# KiCad board hvd-50-idc-panel.kicad_pcb (continued)
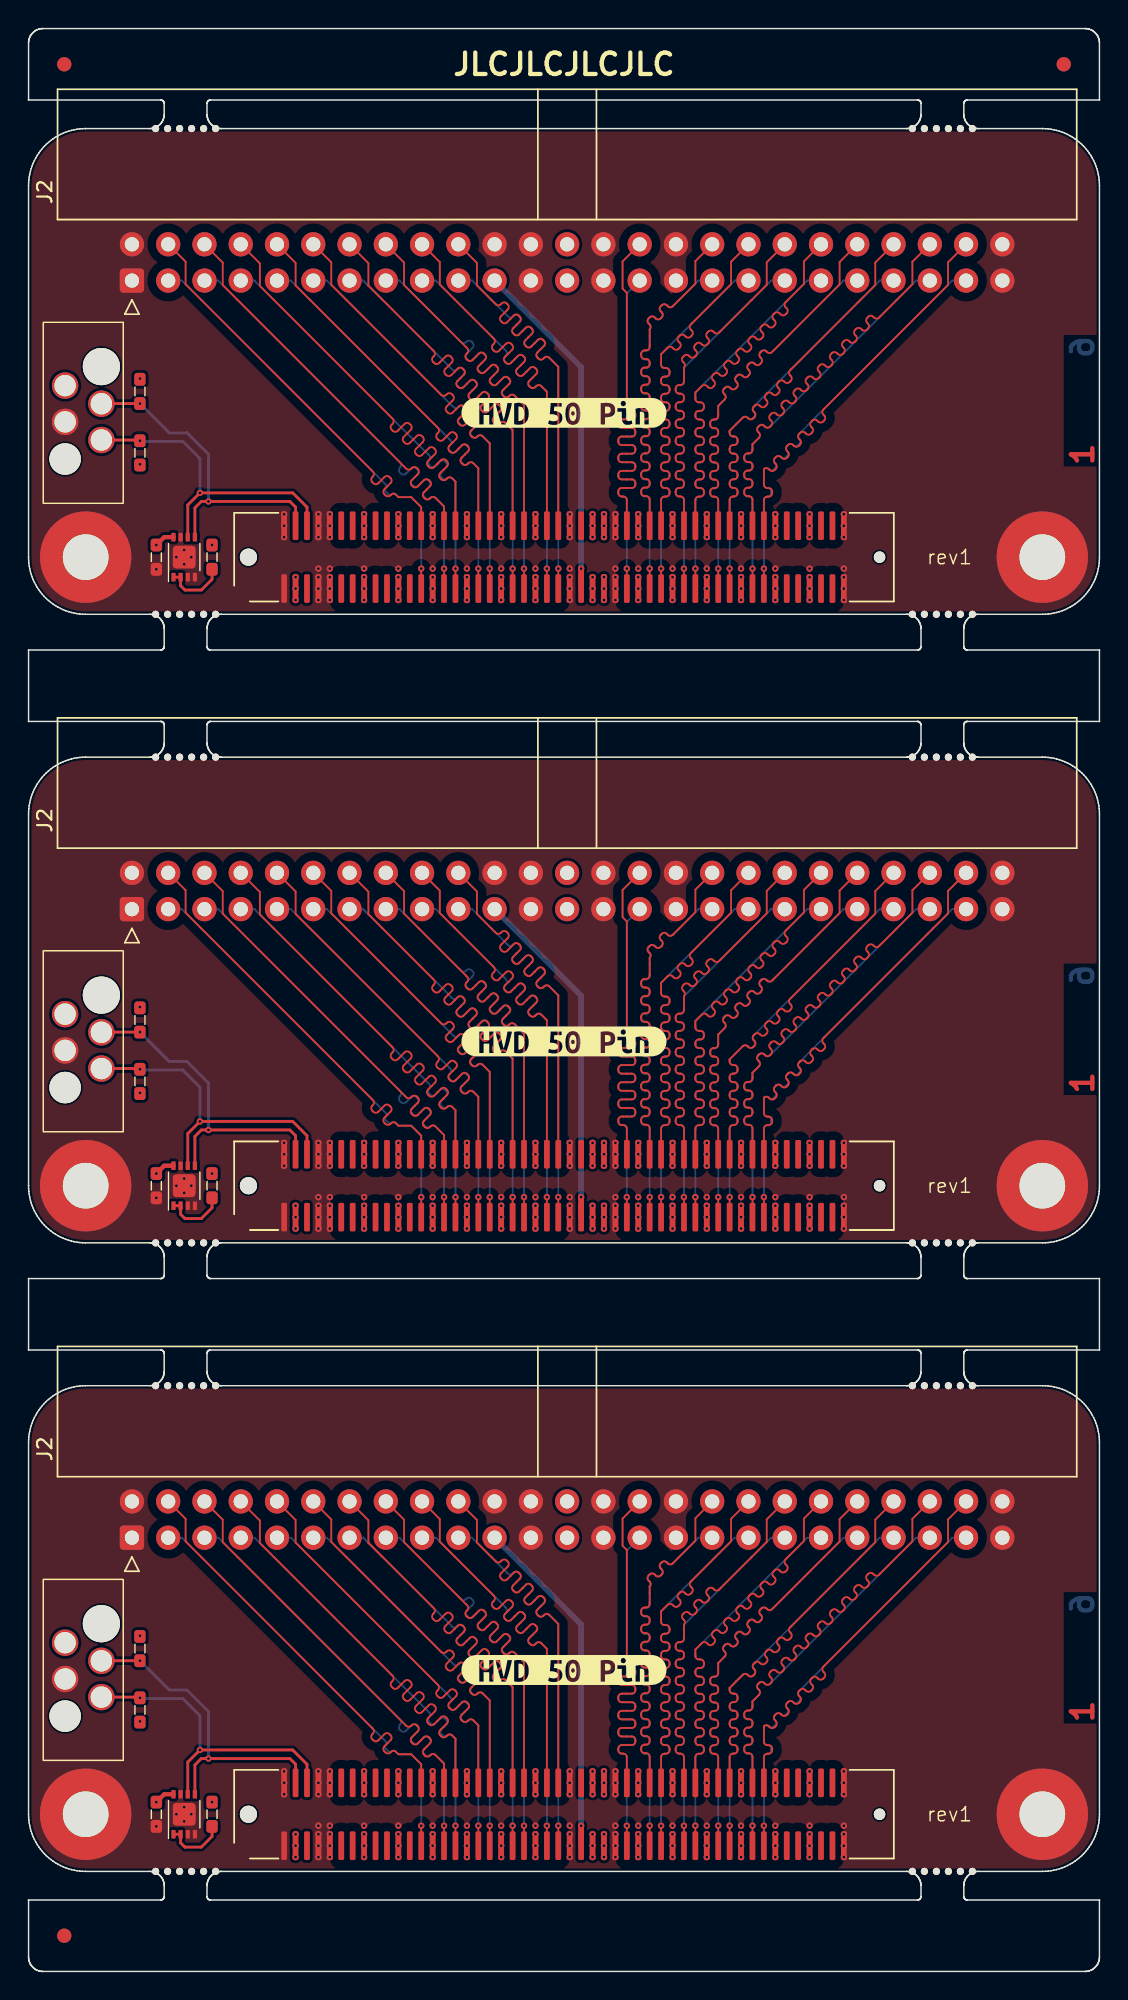
[diagram p0: board, top side]
## Routing (per net, layer and track width the routed paths; a pad name or vN(x,y) marks a point on that pad's centre or on a via; arc(x,y) is an arc through that point) (continued)
Board_1-/CON.DB5+: length 35.8
  Top w0.128: J1#3.41 v1(33.9,54.2)
  Bottom w0.128: J2#3.13 23.44,74.36 ; 23.44,74.36 29.57,68.23 29.66,68.14 arc(29.83,68.07) 30,68.14 30.05,68.2 arc(30.22,68.27) 30.39,68.2 30.48,68.11 arc(30.55,67.94) 30.48,67.77 30.03,67.33 arc(29.96,67.16) 30.03,66.99 30.11,66.9 arc(30.28,66.83) 30.45,66.9 30.9,67.35 arc(31.07,67.42) 31.24,67.35 31.32,67.26 arc(31.39,67.09) 31.32,66.92 30.88,66.48 arc(30.81,66.31) 30.88,66.14 30.96,66.05 arc(31.13,65.98) 31.3,66.05 31.75,66.5 arc(31.92,66.57) 32.09,66.5 32.17,66.41 arc(32.24,66.24) 32.17,66.08 31.73,65.63 arc(31.66,65.46) 31.73,65.29 31.81,65.2 arc(31.98,65.13) 32.15,65.2 32.6,65.65 arc(32.77,65.72) 32.94,65.65 33.02,65.57 arc(33.09,65.4) 33.02,65.23 32.58,64.78 arc(32.51,64.61) 32.58,64.44 32.66,64.36 arc(32.83,64.29) 33,64.36 33.05,64.41 arc(33.22,64.48) 33.39,64.41 33.9,63.9 v1(33.9,54.2) ; 23.44,74.36 24.8,73
Board_1-/CON.DB5-: length 34.4
  Top w0.128: J2#3.14 23.8,75.58 23.8,74.01 28.39,69.42 arc(28.46,69.25) 28.39,69.08 28.33,69.01 arc(28.26,68.84) 28.33,68.67 28.41,68.59 arc(28.58,68.52) 28.75,68.59 29.22,69.05 arc(29.39,69.12) 29.56,69.05 29.64,68.97 arc(29.71,68.8) 29.64,68.63 29.18,68.17 arc(29.11,68) 29.18,67.83 29.26,67.74 arc(29.43,67.67) 29.6,67.74 30.07,68.2 arc(30.24,68.27) 30.41,68.2 30.49,68.12 arc(30.56,67.95) 30.49,67.78 30.03,67.32 arc(29.96,67.15) 30.03,66.98 30.11,66.89 arc(30.28,66.82) 30.45,66.89 30.91,67.36 arc(31.08,67.43) 31.25,67.36 31.34,67.27 arc(31.41,67.1) 31.34,66.93 30.87,66.47 arc(30.8,66.3) 30.87,66.13 30.96,66.04 arc(31.13,65.97) 31.3,66.04 31.76,66.51 arc(31.93,66.58) 32.1,66.51 32.19,66.42 arc(32.26,66.25) 32.19,66.08 31.72,65.62 arc(31.65,65.45) 31.72,65.28 31.81,65.2 arc(31.98,65.13) 32.15,65.2 32.61,65.66 arc(32.78,65.73) 32.95,65.66 33.04,65.57 arc(33.11,65.4) 33.04,65.23 32.57,64.77 arc(32.5,64.6) 32.57,64.43 32.66,64.35 arc(32.83,64.28) 33,64.35 33.06,64.41 arc(33.23,64.48) 33.4,64.41 33.9,63.91 J1#3.42
Board_1-/CON.DB6+: length 32.9
  Top w0.128: J1#3.43 v1(34.7,54.2)
  Bottom w0.128: v1(34.7,54.2) 34.7,65.65 34.03,66.32 arc(33.86,66.39) 33.69,66.32 33.65,66.27 arc(33.48,66.2) 33.31,66.27 33.22,66.36 arc(33.15,66.53) 33.22,66.7 33.65,67.12 arc(33.72,67.29) 33.65,67.46 33.56,67.55 arc(33.39,67.62) 33.22,67.55 32.8,67.12 arc(32.63,67.05) 32.46,67.12 32.38,67.21 arc(32.31,67.38) 32.38,67.55 32.8,67.97 arc(32.87,68.14) 32.8,68.31 32.72,68.4 arc(32.55,68.47) 32.38,68.4 31.95,67.97 arc(31.78,67.9) 31.61,67.97 31.53,68.06 arc(31.46,68.23) 31.53,68.39 31.95,68.82 arc(32.02,68.99) 31.95,69.16 31.87,69.24 arc(31.7,69.31) 31.53,69.24 31.1,68.82 arc(30.93,68.75) 30.76,68.82 30.68,68.9 arc(30.61,69.07) 30.68,69.24 31.1,69.67 arc(31.17,69.84) 31.1,70.01 31.02,70.09 arc(30.85,70.16) 30.68,70.09 30.64,70.05 arc(30.47,69.98) 30.3,70.05 25.98,74.36 J2#3.15
Board_1-/CON.DB6-: length 30
  Top w0.128: J1#3.44 34.7,65.65 34.03,66.31 arc(33.87,66.38) 33.7,66.31 33.63,66.25 arc(33.46,66.18) 33.29,66.25 33.21,66.33 arc(33.14,66.5) 33.21,66.67 33.67,67.14 arc(33.74,67.31) 33.67,67.48 33.59,67.56 arc(33.42,67.63) 33.25,67.56 32.78,67.1 arc(32.61,67.03) 32.44,67.1 32.36,67.18 arc(32.29,67.35) 32.36,67.52 32.83,67.99 arc(32.9,68.16) 32.83,68.33 32.74,68.41 arc(32.57,68.48) 32.4,68.41 31.93,67.95 arc(31.76,67.87) 31.59,67.95 31.51,68.03 arc(31.44,68.2) 31.51,68.37 31.98,68.84 arc(32.05,69.01) 31.98,69.18 31.89,69.26 arc(31.72,69.33) 31.55,69.26 31.09,68.79 arc(30.92,68.72) 30.75,68.79 30.66,68.88 arc(30.59,69.05) 30.66,69.22 30.73,69.28 arc(30.8,69.45) 30.73,69.62 26.3,74.05 26.3,75.62 J2#3.16
Board_1-/CON.DB7+: length 31.3
  Top w0.128: J1#3.47 v1(36.3,54.2)
  Bottom w0.128: 28.44,74.36 J2#3.17 28.52,74.36 33.44,69.45 arc(33.51,69.28) 33.44,69.11 33.36,69.03 arc(33.29,68.86) 33.36,68.69 33.45,68.61 arc(33.62,68.54) 33.78,68.61 34.28,69.1 arc(34.45,69.17) 34.62,69.1 34.7,69.02 arc(34.77,68.85) 34.7,68.68 34.21,68.19 arc(34.14,68.02) 34.21,67.85 34.29,67.76 arc(34.46,67.69) 34.63,67.76 35.13,68.25 arc(35.3,68.32) 35.47,68.25 35.55,68.17 arc(35.62,68) 35.55,67.83 35.06,67.34 arc(34.99,67.17) 35.06,67 35.14,66.91 arc(35.31,66.84) 35.48,66.91 35.56,66.99 arc(35.73,67.06) 35.9,66.99 36.3,66.59 v1(36.3,54.2)
Board_1-/CON.DB7-: length 30
  Top w0.128: J2#3.18 28.8,75.66 28.8,74.09 32.6,70.29 arc(32.67,70.12) 32.6,69.95 32.51,69.87 arc(32.44,69.7) 32.51,69.53 32.6,69.44 arc(32.77,69.37) 32.94,69.44 33.44,69.95 arc(33.61,70.02) 33.78,69.95 33.87,69.86 arc(33.94,69.69) 33.87,69.52 33.36,69.02 arc(33.29,68.85) 33.36,68.68 33.45,68.59 arc(33.62,68.52) 33.79,68.59 34.29,69.1 arc(34.46,69.17) 34.63,69.1 34.72,69.02 arc(34.79,68.85) 34.72,68.68 34.21,68.17 arc(34.14,68) 34.21,67.83 34.3,67.75 arc(34.47,67.68) 34.63,67.75 35.14,68.25 arc(35.31,68.32) 35.48,68.25 35.57,68.17 arc(35.64,68) 35.57,67.83 35.06,67.32 arc(34.99,67.15) 35.06,66.98 35.14,66.9 arc(35.31,66.83) 35.48,66.9 35.57,66.98 arc(35.74,67.05) 35.91,66.98 36.3,66.59 J1#3.48
Board_1-/CON.DIFFSENSE: length 24.1
  Top w0.4: J1#3.53 v1(38.7,54.2)
  Bottom w0.4: J2#3.21 38.7,68.3 v1(38.7,54.2)
Board_1-/CON.DP0+: length 30.4
  Top w0.128: J1#3.49 v1(37.1,54.2)
  Bottom w0.128: v1(37.1,54.2) 37.1,68.33 36.45,68.97 arc(36.28,69.04) 36.11,68.97 36.05,68.91 arc(35.88,68.84) 35.71,68.91 35.63,69 arc(35.56,69.17) 35.63,69.34 36.09,69.8 arc(36.16,69.97) 36.09,70.14 36.01,70.22 arc(35.84,70.29) 35.67,70.22 35.2,69.76 arc(35.03,69.69) 34.86,69.76 34.78,69.85 arc(34.71,70.01) 34.78,70.18 35.24,70.65 arc(35.31,70.82) 35.24,70.99 35.16,71.07 arc(34.99,71.14) 34.82,71.07 34.36,70.61 arc(34.19,70.54) 34.02,70.61 33.93,70.69 arc(33.86,70.86) 33.93,71.03 34.39,71.5 arc(34.46,71.67) 34.39,71.84 34.31,71.92 arc(34.14,71.99) 33.97,71.92 33.91,71.86 arc(33.74,71.79) 33.57,71.86 31.06,74.36 J2#3.19
Board_1-/CON.DP0-: length 30
  Top w0.128: J1#3.50 37.1,68.33 36.46,68.96 arc(36.29,69.03) 36.12,68.96 36.05,68.89 arc(35.88,68.82) 35.71,68.89 35.63,68.98 arc(35.56,69.15) 35.63,69.32 36.11,69.8 arc(36.18,69.97) 36.11,70.14 36.03,70.22 arc(35.86,70.29) 35.69,70.22 35.2,69.74 arc(35.03,69.67) 34.86,69.74 34.78,69.82 arc(34.71,69.99) 34.78,70.16 35.26,70.65 arc(35.33,70.82) 35.26,70.99 35.18,71.07 arc(35.01,71.14) 34.84,71.07 34.36,70.59 arc(34.19,70.52) 34.02,70.59 33.93,70.67 arc(33.86,70.84) 33.93,71.01 34.41,71.5 arc(34.48,71.67) 34.41,71.84 34.33,71.92 arc(34.16,71.99) 33.99,71.92 33.51,71.44 arc(33.34,71.37) 33.17,71.44 33.08,71.52 arc(33.01,71.69) 33.08,71.86 33.57,72.34 arc(33.64,72.51) 33.57,72.68 33.48,72.77 arc(33.31,72.84) 33.14,72.77 33.07,72.7 arc(32.9,72.63) 32.73,72.7 31.4,74.03 31.4,75.6 J2#3.20
Board_1-/CON.I/O+: length 30.4
  Top w0.128: J1#3.85 v1(51.5,54.2)
  Bottom w0.128: v1(51.5,54.2) 51.5,59 arc(51.57,59.17) 51.74,59.24 51.77,59.24 arc(51.94,59.31) 52.01,59.48 52.01,59.6 arc(51.94,59.77) 51.77,59.84 51.74,59.84 arc(51.57,59.91) 51.5,60.08 51.5,61.17 arc(51.67,61.24) 51.84,61.17 51.86,61.15 arc(52.03,61.08) 52.2,61.15 52.28,61.23 arc(52.35,61.4) 52.28,61.57 52.26,61.59 arc(52.19,61.76) 52.26,61.93 52.35,62.02 arc(52.52,62.09) 52.69,62.02 52.71,62 arc(52.88,61.93) 53.05,62 53.13,62.08 arc(53.2,62.25) 53.13,62.42 53.11,62.44 arc(53.04,62.61) 53.11,62.78 53.2,62.86 arc(53.37,62.93) 53.54,62.86 53.55,62.85 arc(53.72,62.78) 53.89,62.85 53.98,62.93 arc(54.05,63.1) 53.98,63.27 53.96,63.29 arc(53.89,63.46) 53.96,63.63 54.05,63.71 64.7,74.36 J2#3.47
Board_1-/CON.I/O-: length 30
  Top w0.128: J1#3.86 51.5,59 arc(51.57,59.17) 51.74,59.24 51.84,59.24 arc(52.01,59.31) 52.08,59.48 52.08,59.6 arc(52.01,59.77) 51.84,59.84 51.74,59.84 arc(51.57,59.91) 51.5,60.08 51.5,61.17 arc(51.67,61.24) 51.84,61.17 51.91,61.1 arc(52.08,61.03) 52.25,61.1 52.33,61.18 arc(52.4,61.35) 52.33,61.52 52.26,61.59 arc(52.19,61.76) 52.26,61.93 52.35,62.02 arc(52.52,62.09) 52.69,62.02 52.76,61.94 arc(52.93,61.87) 53.1,61.94 53.18,62.03 arc(53.25,62.2) 53.18,62.37 53.11,62.44 arc(53.04,62.61) 53.11,62.78 53.2,62.86 arc(53.37,62.93) 53.54,62.86 53.61,62.79 arc(53.78,62.72) 53.95,62.79 54.03,62.88 arc(54.1,63.05) 54.03,63.22 53.96,63.29 arc(53.89,63.46) 53.96,63.63 54.05,63.71 arc(54.22,63.78) 54.38,63.71 54.46,63.64 arc(54.63,63.57) 54.79,63.64 54.88,63.73 arc(54.95,63.9) 54.88,64.07 54.81,64.14 arc(54.74,64.31) 54.81,64.48 54.89,64.56 arc(55.06,64.63) 55.23,64.56 55.3,64.49 arc(55.47,64.42) 55.64,64.49 55.73,64.58 arc(55.8,64.75) 55.73,64.91 55.66,64.99 arc(55.59,65.16) 55.66,65.32 55.74,65.41 64.4,74.07 64.4,75.64 J2#3.48
Board_1-/CON.MSG+: length 30.4
  Top w0.128: J1#3.73 v1(46.7,54.2)
  Bottom w0.128: J2#3.39 54.54,74.36 46.7,66.53 46.7,66.07 arc(46.77,65.9) 46.94,65.83 47.05,65.83 arc(47.22,65.76) 47.29,65.59 47.29,65.47 arc(47.22,65.3) 47.05,65.23 46.94,65.23 arc(46.77,65.16) 46.7,64.99 46.7,64.87 arc(46.77,64.7) 46.94,64.63 47.05,64.63 arc(47.22,64.56) 47.29,64.39 47.29,64.27 arc(47.22,64.1) 47.05,64.03 46.94,64.03 arc(46.77,63.96) 46.7,63.79 46.7,63.67 arc(46.77,63.5) 46.94,63.43 47.05,63.43 arc(47.22,63.36) 47.29,63.19 47.29,63.07 arc(47.22,62.9) 47.05,62.83 46.94,62.83 arc(46.77,62.76) 46.7,62.59 46.7,62.47 arc(46.77,62.3) 46.94,62.23 47.05,62.23 arc(47.22,62.16) 47.29,61.99 47.29,61.87 arc(47.22,61.7) 47.05,61.63 46.94,61.63 arc(46.77,61.56) 46.7,61.39 46.7,61.27 arc(46.77,61.1) 46.94,61.03 47.05,61.03 arc(47.22,60.96) 47.29,60.79 47.29,60.67 arc(47.22,60.5) 47.05,60.43 46.94,60.43 arc(46.77,60.36) 46.7,60.19 46.7,60.07 arc(46.77,59.9) 46.94,59.83 47.05,59.83 arc(47.22,59.76) 47.29,59.59 47.29,59.47 arc(47.22,59.3) 47.05,59.23 46.94,59.23 arc(46.77,59.16) 46.7,58.99 v1(46.7,54.2)
Board_1-/CON.MSG-: length 33.6
  Top w0.128: J1#3.74 46.7,59 arc(46.77,59.17) 46.94,59.24 47.06,59.24 arc(47.23,59.31) 47.3,59.48 47.3,59.6 arc(47.23,59.77) 47.06,59.84 46.94,59.84 arc(46.77,59.91) 46.7,60.08 46.7,60.2 arc(46.77,60.37) 46.94,60.44 47.06,60.44 arc(47.23,60.51) 47.3,60.68 47.3,60.8 arc(47.23,60.97) 47.06,61.04 46.94,61.04 arc(46.77,61.11) 46.7,61.28 46.7,61.4 arc(46.77,61.57) 46.94,61.64 47.06,61.64 arc(47.23,61.71) 47.3,61.88 47.3,62 arc(47.23,62.17) 47.06,62.24 46.94,62.24 arc(46.77,62.31) 46.7,62.48 46.7,62.6 arc(46.77,62.77) 46.94,62.84 47.06,62.84 arc(47.23,62.91) 47.3,63.08 47.3,63.2 arc(47.23,63.37) 47.06,63.44 46.94,63.44 arc(46.77,63.51) 46.7,63.68 46.7,63.8 arc(46.77,63.97) 46.94,64.04 47.06,64.04 arc(47.23,64.11) 47.3,64.28 47.3,64.4 arc(47.23,64.57) 47.06,64.64 46.94,64.64 arc(46.77,64.71) 46.7,64.88 46.7,65 arc(46.77,65.17) 46.94,65.24 47.06,65.24 arc(47.23,65.31) 47.3,65.48 47.3,65.6 arc(47.23,65.77) 47.06,65.84 46.94,65.84 arc(46.77,65.91) 46.7,66.08 46.7,66.53 47.16,66.99 arc(47.33,67.06) 47.5,66.99 47.58,66.9 arc(47.75,66.83) 47.92,66.9 48.01,66.99 arc(48.08,67.16) 48.01,67.33 47.92,67.41 arc(47.85,67.58) 47.92,67.75 48.01,67.84 arc(48.18,67.91) 48.35,67.84 48.43,67.75 arc(48.6,67.68) 48.77,67.75 48.86,67.84 arc(48.93,68) 48.86,68.17 48.77,68.26 arc(48.7,68.43) 48.77,68.6 48.86,68.68 arc(49.03,68.75) 49.2,68.68 49.28,68.6 arc(49.45,68.53) 49.62,68.6 49.71,68.68 arc(49.78,68.85) 49.71,69.02 49.62,69.11 arc(49.55,69.28) 49.62,69.45 49.71,69.53 arc(49.87,69.6) 50.04,69.53 50.13,69.45 arc(50.3,69.38) 50.47,69.45 50.55,69.53 arc(50.62,69.7) 50.55,69.87 50.47,69.96 arc(50.4,70.13) 50.47,70.3 50.55,70.38 arc(50.72,70.45) 50.89,70.38 50.98,70.3 arc(51.15,70.23) 51.32,70.3 51.4,70.38 arc(51.47,70.55) 51.4,70.72 51.32,70.8 arc(51.25,70.97) 51.32,71.14 51.4,71.23 arc(51.57,71.3) 51.74,71.23 51.83,71.14 arc(52,71.07) 52.17,71.14 52.25,71.23 arc(52.32,71.4) 52.25,71.57 52.17,71.65 arc(52.1,71.82) 52.17,71.99 52.25,72.08 arc(52.42,72.15) 52.59,72.08 52.68,71.99 arc(52.84,71.92) 53.01,71.99 53.1,72.08 arc(53.17,72.25) 53.1,72.42 53.01,72.5 arc(52.94,72.67) 53.01,72.84 54.3,74.13 54.3,75.7 J2#3.40
Board_1-/CON.REQ+: length 30.4
  Top w0.128: J1#3.83 v1(50.7,54.2)
  Bottom w0.128: J2#3.45 62.16,74.36 52.01,64.22 51.92,64.13 arc(51.75,64.06) 51.58,64.13 51.5,64.21 arc(51.33,64.28) 51.16,64.21 51.08,64.13 arc(51.01,63.96) 51.08,63.79 51.16,63.71 arc(51.23,63.54) 51.16,63.37 50.7,62.91 50.7,62.48 arc(50.63,62.31) 50.46,62.24 50.34,62.24 arc(50.17,62.17) 50.1,62 50.1,61.88 arc(50.17,61.71) 50.34,61.64 50.46,61.64 arc(50.63,61.57) 50.7,61.4 50.7,61.28 arc(50.63,61.11) 50.46,61.04 50.34,61.04 arc(50.17,60.97) 50.1,60.8 50.1,60.68 arc(50.17,60.51) 50.34,60.44 50.46,60.44 arc(50.63,60.37) 50.7,60.2 50.7,60.08 arc(50.63,59.91) 50.46,59.84 50.34,59.84 arc(50.17,59.77) 50.1,59.6 50.1,59.48 arc(50.17,59.31) 50.34,59.24 50.46,59.24 arc(50.63,59.17) 50.7,59 v1(50.7,54.2)
Board_1-/CON.REQ-: length 34.4
  Top w0.128: J1#3.84 50.7,59.03 arc(50.63,59.2) 50.46,59.27 50.36,59.27 arc(50.19,59.34) 50.12,59.51 50.12,59.63 arc(50.19,59.8) 50.36,59.87 50.46,59.87 arc(50.63,59.94) 50.7,60.11 50.7,60.23 arc(50.63,60.4) 50.46,60.47 50.36,60.47 arc(50.19,60.54) 50.12,60.71 50.12,60.83 arc(50.19,61) 50.36,61.07 50.46,61.07 arc(50.63,61.14) 50.7,61.31 50.7,61.43 arc(50.63,61.6) 50.46,61.67 50.36,61.67 arc(50.19,61.74) 50.12,61.91 50.12,62.03 arc(50.19,62.2) 50.36,62.27 50.46,62.27 arc(50.63,62.34) 50.7,62.51 50.7,62.91 51.16,63.37 arc(51.23,63.54) 51.16,63.71 51.09,63.77 arc(51.02,63.94) 51.09,64.11 51.18,64.2 arc(51.35,64.27) 51.52,64.2 51.58,64.13 arc(51.75,64.06) 51.92,64.13 52.01,64.22 arc(52.08,64.38) 52.01,64.55 51.94,64.62 arc(51.87,64.79) 51.94,64.96 52.03,65.05 arc(52.2,65.12) 52.36,65.05 52.43,64.98 arc(52.6,64.91) 52.77,64.98 52.86,65.06 arc(52.93,65.23) 52.86,65.4 52.79,65.47 arc(52.72,65.64) 52.79,65.81 52.87,65.89 arc(53.04,65.97) 53.21,65.89 53.28,65.83 arc(53.45,65.76) 53.62,65.83 53.71,65.91 arc(53.78,66.08) 53.71,66.25 53.64,66.32 arc(53.57,66.49) 53.64,66.66 53.72,66.74 arc(53.89,66.81) 54.06,66.74 54.13,66.68 arc(54.3,66.61) 54.47,66.68 54.55,66.76 arc(54.62,66.93) 54.55,67.1 54.49,67.17 arc(54.42,67.34) 54.49,67.51 54.57,67.59 arc(54.74,67.66) 54.91,67.59 54.98,67.52 arc(55.15,67.45) 55.32,67.52 55.4,67.61 arc(55.47,67.78) 55.4,67.95 55.33,68.02 arc(55.26,68.19) 55.33,68.36 55.42,68.44 arc(55.59,68.51) 55.76,68.44 55.83,68.37 arc(56,68.3) 56.17,68.37 56.25,68.46 arc(56.32,68.63) 56.25,68.8 56.18,68.86 arc(56.11,69.03) 56.18,69.2 56.27,69.29 arc(56.44,69.36) 56.61,69.29 56.68,69.22 arc(56.84,69.15) 57.01,69.22 57.1,69.31 arc(57.17,69.48) 57.1,69.65 57.03,69.71 arc(56.96,69.88) 57.03,70.05 57.12,70.14 arc(57.29,70.21) 57.46,70.14 57.52,70.07 arc(57.69,70) 57.86,70.07 57.95,70.15 arc(58.02,70.32) 57.95,70.49 57.88,70.56 arc(57.81,70.73) 57.88,70.9 57.97,70.99 arc(58.13,71.06) 58.3,70.99 58.37,70.92 arc(58.54,70.85) 58.71,70.92 58.8,71 arc(58.87,71.17) 58.8,71.34 58.73,71.41 arc(58.66,71.58) 58.73,71.75 58.81,71.83 arc(58.98,71.9) 59.15,71.83 59.22,71.77 arc(59.39,71.7) 59.56,71.77 61.9,74.11 61.9,75.68 J2#3.46
Board_1-/CON.RST+: length 30.4
  Top w0.128: J1#3.71 v1(45.9,54.2)
  Bottom w0.128: v1(45.9,54.2) 45.9,59 arc(45.83,59.17) 45.66,59.24 45.55,59.24 arc(45.38,59.31) 45.31,59.48 45.31,59.6 arc(45.38,59.77) 45.55,59.84 45.66,59.84 arc(45.83,59.91) 45.9,60.08 45.9,60.2 arc(45.83,60.37) 45.66,60.44 45.55,60.44 arc(45.38,60.51) 45.31,60.68 45.31,60.8 arc(45.38,60.97) 45.55,61.04 45.66,61.04 arc(45.83,61.11) 45.9,61.28 45.9,61.4 arc(45.83,61.57) 45.66,61.64 45.55,61.64 arc(45.38,61.71) 45.31,61.88 45.31,62 arc(45.38,62.17) 45.55,62.24 45.66,62.24 arc(45.83,62.31) 45.9,62.48 45.9,62.6 arc(45.83,62.77) 45.66,62.84 45.55,62.84 arc(45.38,62.91) 45.31,63.08 45.31,63.2 arc(45.38,63.37) 45.55,63.44 45.66,63.44 arc(45.83,63.51) 45.9,63.68 45.9,63.8 arc(45.83,63.97) 45.66,64.04 45.55,64.04 arc(45.38,64.11) 45.31,64.28 45.31,64.4 arc(45.38,64.57) 45.55,64.64 45.66,64.64 arc(45.83,64.71) 45.9,64.88 45.9,65 arc(45.83,65.17) 45.66,65.24 45.55,65.24 arc(45.38,65.31) 45.31,65.48 45.31,65.6 arc(45.38,65.77) 45.55,65.84 45.66,65.84 arc(45.83,65.91) 45.9,66.08 45.9,66.2 arc(45.83,66.37) 45.66,66.44 45.55,66.44 arc(45.38,66.51) 45.31,66.68 45.31,66.8 arc(45.38,66.97) 45.55,67.04 45.66,67.04 arc(45.83,67.11) 45.9,67.28 45.9,68.27 52,74.36 J2#3.37
Board_1-/CON.RST-: length 30
  Top w0.128: J2#3.38 51.7,75.64 51.7,74.07 48.36,70.73 arc(48.19,70.66) 48.02,70.73 47.95,70.8 arc(47.78,70.87) 47.61,70.8 47.53,70.71 arc(47.46,70.54) 47.53,70.37 47.6,70.3 arc(47.67,70.13) 47.6,69.96 47.51,69.88 arc(47.34,69.81) 47.17,69.88 47.1,69.95 arc(46.93,70.02) 46.76,69.95 46.68,69.86 arc(46.61,69.69) 46.68,69.52 46.75,69.45 arc(46.82,69.29) 46.75,69.12 46.66,69.03 arc(46.49,68.96) 46.32,69.03 46.26,69.1 arc(46.09,69.17) 45.92,69.1 45.83,69.01 arc(45.76,68.84) 45.83,68.68 45.9,68.61 arc(45.97,68.44) 45.9,68.27 45.9,67.29 arc(45.83,67.12) 45.66,67.05 45.56,67.05 arc(45.39,66.98) 45.32,66.81 45.32,66.69 arc(45.39,66.52) 45.56,66.45 45.66,66.45 arc(45.83,66.38) 45.9,66.21 45.9,66.09 arc(45.83,65.92) 45.66,65.85 45.56,65.85 arc(45.39,65.78) 45.32,65.61 45.32,65.49 arc(45.39,65.32) 45.56,65.25 45.66,65.25 arc(45.83,65.18) 45.9,65.01 45.9,64.89 arc(45.83,64.72) 45.66,64.65 45.56,64.65 arc(45.39,64.58) 45.32,64.41 45.32,64.29 arc(45.39,64.12) 45.56,64.05 45.66,64.05 arc(45.83,63.98) 45.9,63.81 45.9,63.69 arc(45.83,63.52) 45.66,63.45 45.56,63.45 arc(45.39,63.38) 45.32,63.21 45.32,63.09 arc(45.39,62.92) 45.56,62.85 45.66,62.85 arc(45.83,62.78) 45.9,62.61 45.9,62.49 arc(45.83,62.32) 45.66,62.25 45.56,62.25 arc(45.39,62.18) 45.32,62.01 45.32,61.89 arc(45.39,61.72) 45.56,61.65 45.66,61.65 arc(45.83,61.58) 45.9,61.41 45.9,61.29 arc(45.83,61.12) 45.66,61.05 45.56,61.05 arc(45.39,60.98) 45.32,60.81 45.32,60.69 arc(45.39,60.52) 45.56,60.45 45.66,60.45 arc(45.83,60.38) 45.9,60.21 45.9,60.09 arc(45.83,59.92) 45.66,59.85 45.56,59.85 arc(45.39,59.78) 45.32,59.61 45.32,59.49 arc(45.39,59.32) 45.56,59.25 45.66,59.25 arc(45.83,59.18) 45.9,59.01 J1#3.72
Board_1-/CON.SEL+: length 32.9
  Top w0.128: J1#3.77 v1(48.3,54.2)
  Bottom w0.128: J2#3.41 57.08,74.36 52.07,69.36 arc(51.9,69.29) 51.73,69.36 51.66,69.43 arc(51.49,69.5) 51.32,69.43 51.23,69.34 arc(51.16,69.17) 51.23,69 51.31,68.93 arc(51.38,68.76) 51.31,68.59 51.22,68.51 arc(51.05,68.44) 50.88,68.51 50.81,68.58 arc(50.64,68.65) 50.47,68.58 50.38,68.49 arc(50.31,68.32) 50.38,68.16 50.46,68.08 arc(50.53,67.91) 50.46,67.74 50.37,67.66 arc(50.2,67.59) 50.03,67.66 49.96,67.73 arc(49.79,67.8) 49.62,67.73 49.54,67.65 arc(49.47,67.48) 49.54,67.31 49.61,67.23 arc(49.68,67.06) 49.61,66.9 49.52,66.81 arc(49.35,66.74) 49.18,66.81 49.11,66.88 arc(48.94,66.95) 48.77,66.88 48.69,66.8 arc(48.62,66.63) 48.69,66.46 48.76,66.39 arc(48.83,66.22) 48.76,66.05 48.3,65.59 48.3,64.86 arc(48.23,64.69) 48.06,64.62 47.96,64.62 arc(47.79,64.55) 47.72,64.38 47.72,64.26 arc(47.79,64.09) 47.96,64.02 48.06,64.02 arc(48.23,63.95) 48.3,63.78 48.3,63.66 arc(48.23,63.49) 48.06,63.42 47.96,63.42 arc(47.79,63.35) 47.72,63.18 47.72,63.06 arc(47.79,62.89) 47.96,62.82 48.06,62.82 arc(48.23,62.75) 48.3,62.58 48.3,62.46 arc(48.23,62.29) 48.06,62.22 47.96,62.22 arc(47.79,62.15) 47.72,61.98 47.72,61.86 arc(47.79,61.69) 47.96,61.62 48.06,61.62 arc(48.23,61.55) 48.3,61.38 48.3,61.26 arc(48.23,61.09) 48.06,61.02 47.96,61.02 arc(47.79,60.95) 47.72,60.78 47.72,60.66 arc(47.79,60.49) 47.96,60.42 48.06,60.42 arc(48.23,60.35) 48.3,60.18 48.3,60.06 arc(48.23,59.89) 48.06,59.82 47.96,59.82 arc(47.79,59.75) 47.72,59.58 47.72,59.46 arc(47.79,59.29) 47.96,59.22 48.06,59.22 arc(48.23,59.15) 48.3,58.98 v1(48.3,54.2)
Board_1-/CON.SEL-: length 30
  Top w0.128: J2#3.42 56.8,75.66 56.8,74.09 52.07,69.36 arc(51.9,69.29) 51.73,69.36 51.68,69.41 arc(51.51,69.48) 51.34,69.41 51.25,69.33 arc(51.18,69.16) 51.25,68.99 51.31,68.93 arc(51.38,68.76) 51.31,68.59 51.22,68.51 arc(51.05,68.44) 50.88,68.51 50.83,68.56 arc(50.66,68.63) 50.49,68.56 50.4,68.48 arc(50.33,68.31) 50.4,68.14 50.46,68.08 arc(50.53,67.91) 50.46,67.74 50.37,67.66 arc(50.2,67.59) 50.03,67.66 49.98,67.71 arc(49.81,67.78) 49.64,67.71 49.55,67.63 arc(49.48,67.46) 49.55,67.29 49.61,67.23 arc(49.68,67.06) 49.61,66.9 49.52,66.81 arc(49.35,66.74) 49.18,66.81 49.13,66.86 arc(48.96,66.93) 48.79,66.86 48.71,66.78 arc(48.64,66.61) 48.71,66.44 48.76,66.39 arc(48.83,66.22) 48.76,66.05 48.3,65.59 48.3,64.88 arc(48.23,64.71) 48.06,64.64 47.98,64.64 arc(47.81,64.57) 47.74,64.4 47.74,64.28 arc(47.81,64.11) 47.98,64.04 48.06,64.04 arc(48.23,63.97) 48.3,63.8 48.3,63.68 arc(48.23,63.51) 48.06,63.44 47.98,63.44 arc(47.81,63.37) 47.74,63.2 47.74,63.08 arc(47.81,62.91) 47.98,62.84 48.06,62.84 arc(48.23,62.77) 48.3,62.6 48.3,62.48 arc(48.23,62.31) 48.06,62.24 47.98,62.24 arc(47.81,62.17) 47.74,62 47.74,61.88 arc(47.81,61.71) 47.98,61.64 48.06,61.64 arc(48.23,61.57) 48.3,61.4 48.3,61.28 arc(48.23,61.11) 48.06,61.04 47.98,61.04 arc(47.81,60.97) 47.74,60.8 47.74,60.68 arc(47.81,60.51) 47.98,60.44 48.06,60.44 arc(48.23,60.37) 48.3,60.2 48.3,60.08 arc(48.23,59.91) 48.06,59.84 47.98,59.84 arc(47.81,59.77) 47.74,59.6 47.74,59.48 arc(47.81,59.31) 47.98,59.24 48.06,59.24 arc(48.23,59.17) 48.3,59 J1#3.78
Board_1-/CON.TERMPWR:
  vias: v1(39.5,58) v1(39.5,57.2) v1(39.5,56.4) v1(39.5,53.6) v1(39.5,52.8) v1(39.5,52) v1(40.3,58) v1(40.3,57.2) v1(40.3,56.4) v1(40.3,53.6) v1(40.3,52.8) v1(40.3,52)
Board_1-/PHY.ID_SCL: length 22.5
  Top w0.2: J1#3.6 19.5,58.5 18.5,59.5 v1(12,59.5) 11.15,58.65 U1.6 ; v1(7.8,63.15) 7.45,63.15 7.4,63.2 J3#3.4
  Bottom w0.2: v1(12,59.5) 12,61.9 10.8,63.1 7.85,63.1 v1(7.8,63.15)
Board_1-/PHY.ID_SDA: length 23
  Top w0.2: J3#3.2 5.11,65.75 v1(7.8,65.75) ; J1#3.4 18.7,58.5 18.3,58.9 12.1,58.9 11.65,58.45 U1.5
  Bottom w0.2: v1(12.6,58.9) 12.6,62.2 11.1,63.7 9.85,63.7 v1(7.8,65.75)
Board_1-GND:
  vias: v1(8.95,54.15) v1(10.35,55) v1(10.9,55.5) v1(10.9,54.5) v1(11.4,55) v1(17.9,58) v1(17.9,57.2) v1(17.9,56.4) v1(20.3,58) v1(20.3,57.2) v1(20.3,56.4) v1(20.3,54.2) v1(20.3,53.6) v1(20.3,52.8) v1(20.3,52) v1(21.1,58) v1(21.1,57.2) v1(21.1,56.4) v1(21.1,54.2) v1(21.1,53.6) v1(21.1,52.8) v1(21.1,52) v1(23.5,58) v1(23.5,57.2) v1(23.5,56.4) v1(23.5,54.2) v1(23.5,53.6) v1(23.5,52.8) v1(23.5,52) v1(25.9,58) v1(25.9,57.2) v1(25.9,56.4) v1(25.9,54.2) v1(25.9,53.6) v1(25.9,52.8) v1(25.9,52) v1(28.3,58) v1(28.3,57.2) v1(28.3,56.4) v1(28.3,54.2) v1(28.3,53.6) v1(28.3,52.8) v1(28.3,52) v1(30.7,58) v1(30.7,57.2) v1(30.7,56.4) v1(30.7,54.2) v1(30.7,53.6) v1(30.7,52.8) v1(30.7,52) v1(33.1,58) v1(33.1,57.2) v1(33.1,56.4) v1(33.1,54.2) v1(33.1,53.6) v1(33.1,52.8) v1(33.1,52) v1(35.5,58) v1(35.5,57.2) v1(35.5,56.4) v1(35.5,54.2) v1(35.5,53.6) v1(35.5,52.8) v1(35.5,52) v1(37.9,58) v1(37.9,57.2) v1(37.9,56.4) v1(37.9,54.2) v1(37.9,53.6) v1(37.9,52.8) v1(37.9,52) v1(41.1,58) v1(41.1,57.2) v1(41.1,56.4) v1(41.1,54.2) v1(41.1,53.6) v1(41.1,52.8) v1(41.1,52) v1(42.7,58) v1(42.7,57.2) v1(42.7,56.4) v1(42.7,54.2) v1(42.7,53.6) v1(42.7,52.8) v1(42.7,52) v1(45.1,58) v1(45.1,57.2) v1(45.1,56.4) v1(45.1,54.2) v1(45.1,53.6) v1(45.1,52.8) v1(45.1,52) v1(47.5,58) v1(47.5,57.2) v1(47.5,56.4) v1(47.5,54.2) v1(47.5,53.6) v1(47.5,52.8) v1(47.5,52) v1(49.9,58) v1(49.9,57.2) v1(49.9,56.4) v1(49.9,54.2) v1(49.9,53.6) v1(49.9,52.8) v1(49.9,52) v1(52.3,58) v1(52.3,57.2) v1(52.3,56.4) v1(52.3,54.2) v1(52.3,53.6) v1(52.3,52.8) v1(52.3,52) v1(54.7,58) v1(54.7,57.2) v1(54.7,56.4) v1(54.7,54.2) v1(54.7,53.6) v1(54.7,52.8) v1(54.7,52) v1(57.1,58) v1(57.1,57.2) v1(57.1,56.4) v1(57.1,54.2) v1(57.1,53.6) v1(57.1,52.8) v1(57.1,52)
Board_1-Net-(U1-E0): length 4.4
  Top w0.2: U1.1 U1.2 10.65,53 10.95,52.7 12.1,52.7 12.85,53.45 R1#3.1
Board_2-+3V3: length 1.4
  Top w0.3: v1(8.95,11.85) 9.5,12.4 U1#3.8
  vias: v1(7.8,23.5) v1(7.8,17.5) v1(12.85,11.85) v1(18.7,9.6) v1(18.7,8.8) v1(18.7,8)
Board_2-/CON.ACK+: length 30.4
  Top w0.128: J1.67 v1(44.3,10.2)
  Bottom w0.128: v1(44.3,10.2) 44.3,15 arc(44.37,15.17) 44.54,15.24 44.62,15.24 arc(44.79,15.31) 44.86,15.48 44.86,15.6 arc(44.79,15.77) 44.62,15.84 44.54,15.84 arc(44.37,15.91) 44.3,16.08 44.3,16.2 arc(44.37,16.37) 44.54,16.44 44.62,16.44 arc(44.79,16.51) 44.86,16.68 44.86,16.8 arc(44.79,16.97) 44.62,17.04 44.54,17.04 arc(44.37,17.11) 44.3,17.28 44.3,17.4 arc(44.37,17.57) 44.54,17.64 44.62,17.64 arc(44.79,17.71) 44.86,17.88 44.86,18 arc(44.79,18.17) 44.62,18.24 44.54,18.24 arc(44.37,18.31) 44.3,18.48 44.3,18.6 arc(44.37,18.77) 44.54,18.84 44.62,18.84 arc(44.79,18.91) 44.86,19.08 44.86,19.2 arc(44.79,19.37) 44.62,19.44 44.54,19.44 arc(44.37,19.51) 44.3,19.68 44.3,19.8 arc(44.37,19.97) 44.54,20.04 44.62,20.04 arc(44.79,20.11) 44.86,20.28 44.86,20.4 arc(44.79,20.57) 44.62,20.64 44.54,20.64 arc(44.37,20.71) 44.3,20.88 44.3,21 arc(44.37,21.17) 44.54,21.24 44.62,21.24 arc(44.79,21.31) 44.86,21.48 44.86,21.6 arc(44.79,21.77) 44.62,21.84 44.54,21.84 arc(44.37,21.91) 44.3,22.08 44.3,22.2 arc(44.37,22.37) 44.54,22.44 44.62,22.44 arc(44.79,22.51) 44.86,22.68 44.86,22.8 arc(44.79,22.97) 44.62,23.04 44.54,23.04 arc(44.37,23.11) 44.3,23.28 44.3,23.4 arc(44.37,23.57) 44.54,23.64 44.62,23.64 arc(44.79,23.71) 44.86,23.88 44.86,24 arc(44.79,24.17) 44.62,24.24 44.54,24.24 arc(44.37,24.31) 44.3,24.48 44.3,25.21 49.46,30.36 J2.35
